# Altium PCB PCB3.PcbDoc (part 1 of 2) (continued)
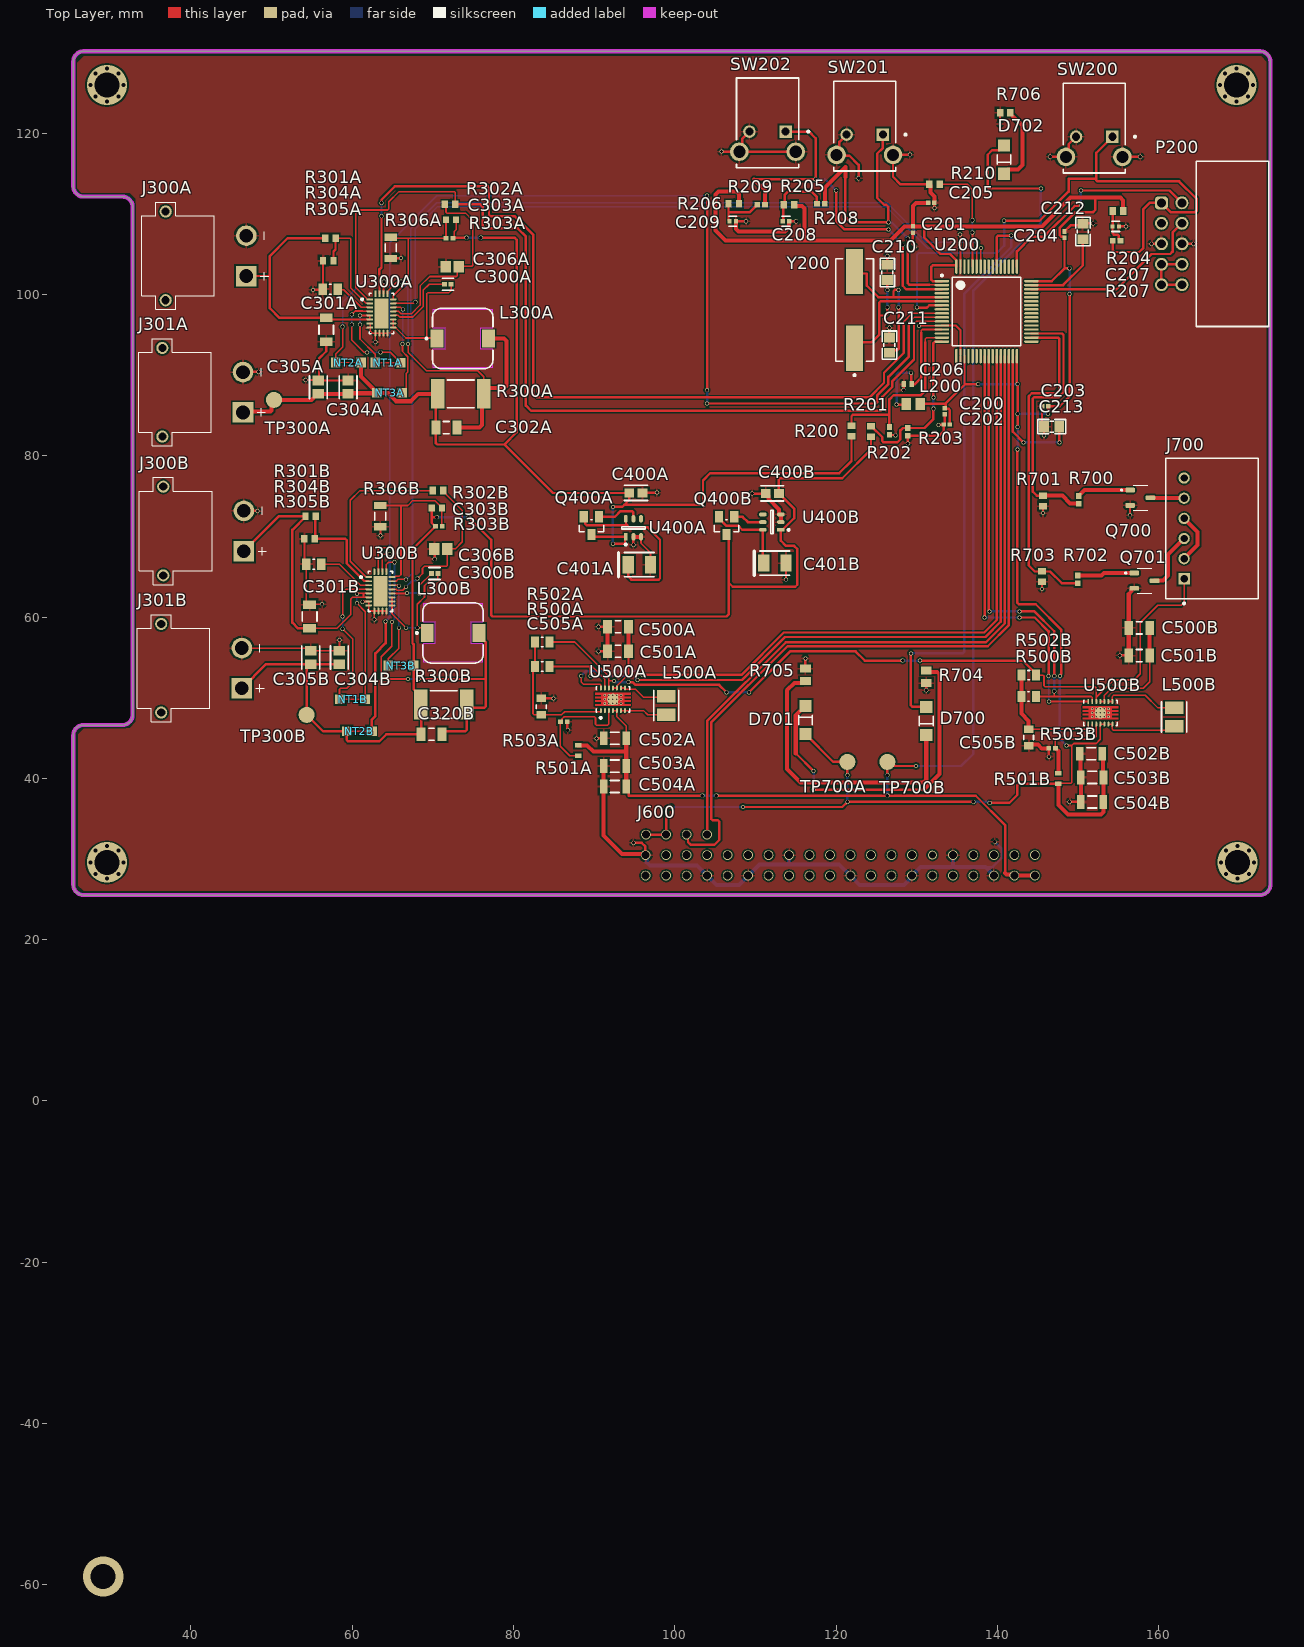
[diagram p0: Top Layer view]
## Footprints (in the part's own frame and the unit in brackets; to place one, negate y for a bottom-side part, rotate by r counter-clockwise, add the part's x,y. Pads: shape width x height; smd on the part's side, far side on the other; paste and mask are expansions set on the pad) (continued)
  silkscreen extent -56,-37 56,37, body extent -76,-41 76,41, height 10
FP-B3F-3152-MFG [mm]
  rect 1.55x1.55 hole 1 paste-1000 mask+0: 1(-2.25,1.075)
  round 1.55 hole 1 paste-1000 mask+0: 2(2.25,1.075)
  round 2.3 hole 1.5 paste-1000 mask+0: 3(-3.5,3.575) 4(3.5,3.575)
  silkscreen extent -5.18,-5.57 3.85,5.58, body extent -4.75,-5.68 4.75,5.68, height 0.25
FP-C0402-BB-MFG [mm]
  rect 0.52x0.52 smd paste+0 mask+0: 1(-0.4,0) 2(0.4,0)
  silkscreen extent -0.5,-0.63 0.5,0.64, body extent -0.8,-0.4 0.8,0.4, height 0.25
FP-CGA3E-0_3-0_1-IPC_A [mm]
  rect 0.956x1.206 smd paste+0 mask+0: 1(-1.025,0) 2(1.025,0)
  silkscreen extent -0.25,-0.6 0.25,0.6, body extent -2,-1.1 2,1.1, height 0.25
FP-DFE252010C-IPC_A [mm]
  rect 1.555x2.306 smd paste+0 mask+0: 1(-1.126,0) 2(1.126,0)
  silkscreen extent -1.9,-1.55 1.9,1.55, body extent -2.4,-1.65 2.4,1.65, height 0.25
FP-DSJ0014A-MFG [mm]
  rrect100% 0.6x0.24 smd paste+0 mask+0: 1(-1.4,1.5) 2(-1.4,1) 3(-1.4,0.5) 4(-1.4,0) 5(-1.4,-0.5) 6(-1.4,-1) 7(-1.4,-1.5) 8(1.4,-1.5) 9(1.4,-1) 10(1.4,-0.5) 11(1.4,0) 12(1.4,0.5) 13(1.4,1) 14(1.4,1.5)
  round 1.422 smd paste-1000 mask+0: 15(0,0)
  Top Layer region: -0.79,2.2 -0.59,2.2 -0.59,1.425 -0.33,1.425 -0.33,2.2 -0.13,2.2 -0.13,1.425 0.13,1.425 0.13,2.2 0.33,2.2 0.33,1.425 0.59,1.425 0.59,2.2 0.79,2.2 0.79,-2.2 0.59,-2.2 0.59,-1.425 0.33,-1.425 0.33,-2.2 0.13,-2.2 0.13,-1.425 -0.13,-1.425 -0.13,-2.2 -0.33,-2.2 -0.33,-1.425 -0.59,-1.425 -0.59,-2.2 -0.79,-2.2 -0.79,2.2
  silkscreen extent -2.42,-2.07 1.57,2.07, body extent -1.8,-2.3 1.8,2.3, height 0.25
FP-GRM21B-0_15-IPC_B [mm]
  rect 1.206x1.408 smd paste+0 mask+0: 1(-0.826,0) 2(0.826,0)
  silkscreen extent -1.43,-1.1 1.43,1.1, body extent -1.68,-0.95 1.68,0.95, height 0.25
FP-GRM31C-0_2-e0_3_0_8-MFG [mm]
  rect 1.05x1.6 smd paste+0 mask+0: 1(-1.475,0) 2(1.475,0)
  silkscreen extent -0.57,-0.9 0.58,0.9, body extent -2.1,-1 2.1,1, height 0.25
FP-HSMG-C150-MFG [mm]
  rect 1.5x1.5 smd paste+0 mask+0: 1(-1.75,0) 2(1.75,0)
  silkscreen extent -0.6,-0.85 0.6,0.85, body extent -2.6,-0.95 2.6,0.95, height 0.25
FP-S6-6-05-08-1636-IPC_C [mm]
  rect 0.94x0.486 smd paste+0 mask+0: 1(-1.115,0.95)
  rrect100% 0.94x0.486 smd paste+0 mask+0: 2(-1.115,0) 3(-1.115,-0.95) 4(1.115,-0.95) 5(1.115,0) 6(1.115,0.95)
  silkscreen extent -2.21,-1.45 0.15,1.45, body extent -1.69,-1.55 1.69,1.55, height 0.25
FP-S6B-XH-A_LF_SN-MFG [mm]
  rect 1.4x1.4 hole 0.9 paste-1000 mask+0: 1(6.25,-3.45)
  round 1.4 hole 0.9 paste-1000 mask+0: 2(3.75,-3.45) 3(1.25,-3.45) 4(-1.25,-3.45) 5(-3.75,-3.45) 6(-6.25,-3.45)
  silkscreen extent -8.7,-5.75 9.42,5.75, body extent -8.8,-5.85 8.8,5.85, height 0.25
FP-UDD-24-05-08-1833-IPC_B [mm]
  rect 0.831x0.242 smd paste+0 mask+0: 1(-1.441,1.75)
  rrect100% 0.831x0.242 smd paste+0 mask+0: 2(-1.441,1.25) 3(-1.441,0.75) 4(-1.441,0.25) 5(-1.441,-0.25) 6(-1.441,-0.75) 7(-1.441,-1.25) 8(-1.441,-1.75) 13(1.441,-1.75) 14(1.441,-1.25) 15(1.441,-0.75) 16(1.441,-0.25) 17(1.441,0.25) 18(1.441,0.75) 19(1.441,1.25) 20(1.441,1.75)
  rrect100% 0.242x0.831 smd paste+0 mask+0: 9(-0.75,-2.441) 10(-0.25,-2.441) 11(0.25,-2.441) 12(0.75,-2.441) 21(0.75,2.441) 22(0.25,2.441) 23(-0.25,2.441) 24(-0.75,2.441)
  rect 1.75x3.75 smd paste-1000 mask+0: 25(0,0)
  silkscreen extent -2.53,-2.5 1.5,2.5, body extent -2.11,-3.11 2.11,3.11, height 0.25
FP-WSL2512-0_762-MFG [mm]
  rect 1.65x3.68 smd paste+0 mask+0: 1(-2.855,0) 2(2.855,0)
  silkscreen extent -1.66,-1.72 1.66,1.72, body extent -3.78,-1.94 3.78,1.94, height 0.25
INDC2012X100N [mm]
  rect 1.2x1.47 smd: 1(-0.86,0) 2(0.86,0)
  body extent -1,-0.63 1,0.63, height 0.55
KEMT-T491-B_L [mm] "Molded Capacitor, 2-Leads, Body 3.70x3.00mm, IPC High Density"
  rect 1.4x2.15 smd: 1(-1.375,0) 2(1.375,0)
  silkscreen extent -2.57,-1.5 1.85,1.5, body extent -2.07,-1.5 2.07,1.5, height 2.1
NET_TIE [mm]
  rect 1.2x1.2 smd paste-3 mask-0.2: 1(-1.551,-0.01) 2(1.58,-0.016)
  Top Layer region: -1.071,-0.097 1.112,-0.097 1.112,0.072 -1.071,0.072
RESC1005X40X25ML05T10 [mm] "Chip Resistor, 2-Leads, Body 1.00x0.50mm, IPC Low Density"
  rect 0.7x0.65 smd: 1(-0.475,0) 2(0.475,0)
  body extent -0.53,-0.27 0.53,0.28, height 0.4
RESC1005X40X25NL05T10 [mm] "Chip Resistor, 2-Leads, Body 1.00x0.50mm, IPC Medium Density"
  rect 0.6x0.55 smd: 1(-0.425,0) 2(0.425,0)
  body extent -0.53,-0.27 0.53,0.28, height 0.4
RESC1608X55X25LL10T15 [mm] "Chip Resistor, 2-Leads, Body 1.70x0.90mm, IPC High Density"
  rect 0.6x0.8 smd: 1(-0.65,0) 2(0.65,0)
  body extent -0.85,-0.45 0.85,0.45, height 0.55
RESC1609X50X30NL8T20 [mm] "Chip Resistor, 2-Leads, Body 1.65x0.95mm, IPC Medium Density"
  rect 0.8x0.95 smd: 1(-0.65,0) 2(0.65,0)
  body extent -0.82,-0.48 0.82,0.48, height 0.5
RESC1609X50X30NL10T20 [mm] "Chip Resistor, 2-Leads, Body 1.55x0.85mm, IPC Medium Density"
  rect 0.8x0.95 smd: 1(-0.625,0) 2(0.625,0)
  body extent -0.82,-0.48 0.82,0.48, height 0.5
RESC2013X50X30NL20T20 [mm] "Chip Resistor, 2-Leads, Body 2.00x1.25mm, IPC Medium Density"
  rect 1.05x1.45 smd: 1(-0.925,0) 2(0.925,0)
  silkscreen extent -0.1,-0.62 0.1,0.63, body extent -1.1,-0.72 1.1,0.72, height 0.5
RESC2013X60X35NL10T20 [mm] "Chip Resistor, 2-Leads, Body 2.1x1.35mm, IPC Medium Density"
  rect 1x1.35 smd: 1(-0.9,0) 2(0.9,0)
  silkscreen extent -0.1,-0.57 0.1,0.57, body extent -1.05,-0.68 1.05,0.67, height 0.6
RESC2013X70X40LL20T20 [mm] "Chip Resistor, 2-Leads, Body 2.00x1.25mm, IPC High Density"
  rect 0.95x1.35 smd: 1(-0.775,0) 2(0.775,0)
  body extent -1.1,-0.72 1.1,0.72, height 0.7
RESC3216X70X50LL05T20 [mm] "Chip Resistor, 2-Leads, Body 3.20x1.60mm, IPC High Density"
  rect 0.9x1.55 smd: 1(-1.325,0) 2(1.325,0)
  silkscreen extent -0.5,-0.67 0.5,0.68, body extent -1.63,-0.82 1.62,0.82, height 0.7
"RPI GPIO" [mm]
  round 1.2 hole 1 paste+0 mask+0.1: 1(0,0) 2(2.54,0) 3(0,-2.54) 4(2.54,-2.54) 5(0,-5.08) 6(2.54,-5.08) 7(0,-7.62) 8(2.54,-7.62) 9(0,-10.16) 10(2.54,-10.16) 12(2.54,-12.7) 13(0,-15.24) 14(2.54,-15.24) 15(0,-17.78) 16(2.54,-17.78) 17(0,-20.32) 18(2.54,-20.32) 19(0,-22.86) 20(2.54,-22.86) 21(0,-25.4) 22(2.54,-25.4) 23(0,-27.94) 24(2.54,-27.94) 25(0,-30.48) 26(2.54,-30.48) 27(0,-33.02) 28(2.54,-33.02) 29(0,-35.56) 30(2.54,-35.56) 31(0,-38.1) 32(2.54,-38.1) 33(0,-40.64) 34(2.54,-40.64) 35(0,-43.18) 36(2.54,-43.18) 37(0,-45.72) 38(2.54,-45.72) 39(0,-48.26) 40(2.54,-48.26) 41(-2.54,-48.222) 42(-2.54,-45.72) 43(-2.54,-43.18) 44(-2.54,-40.64)
  round 1.1 hole 0.9 paste+0 mask+0.1: 11(0,-12.7)
  body extent -3.79,-49.58 3.81,1.22, height 10.54
SOT95P280X125-3N [mm]
  rrect50% 1.21x0.59 smd: 1(-1.255,0.95) 2(-1.255,-0.95) 3(1.255,0)
  silkscreen extent -2.41,-1.55 0.9,1.55
STM-LQFP64_N [mm] "Thin QFP, 64-Leads, Body 10x10mm, Pitch 0.5mm, IPC Medium Density"
  oval 1.8x0.3 smd: 1(-5.55,3.75) 2(-5.55,3.25) 3(-5.55,2.75) 4(-5.55,2.25) 5(-5.55,1.75) 6(-5.55,1.25) 7(-5.55,0.75) 8(-5.55,0.25) 9(-5.55,-0.25) 10(-5.55,-0.75) 11(-5.55,-1.25) 12(-5.55,-1.75) 13(-5.55,-2.25) 14(-5.55,-2.75) 15(-5.55,-3.25) 16(-5.55,-3.75) 33(5.55,-3.75) 34(5.55,-3.25) 35(5.55,-2.75) 36(5.55,-2.25) 37(5.55,-1.75) 38(5.55,-1.25) 39(5.55,-0.75) 40(5.55,-0.25) 41(5.55,0.25) 42(5.55,0.75) 43(5.55,1.25) 44(5.55,1.75) 45(5.55,2.25) 46(5.55,2.75) 47(5.55,3.25) 48(5.55,3.75)
  oval 0.3x1.8 smd: 17(-3.75,-5.55) 18(-3.25,-5.55) 19(-2.75,-5.55) 20(-2.25,-5.55) 21(-1.75,-5.55) 22(-1.25,-5.55) 23(-0.75,-5.55) 24(-0.25,-5.55) 25(0.25,-5.55) 26(0.75,-5.55) 27(1.25,-5.55) 28(1.75,-5.55) 29(2.25,-5.55) 30(2.75,-5.55) 31(3.25,-5.55) 32(3.75,-5.55) 49(3.75,5.55) 50(3.25,5.55) 51(2.75,5.55) 52(2.25,5.55) 53(1.75,5.55) 54(1.25,5.55) 55(0.75,5.55) 56(0.25,5.55) 57(-0.25,5.55) 58(-0.75,5.55) 59(-1.25,5.55) 60(-1.75,5.55) 61(-2.25,5.55) 62(-2.75,5.55) 63(-3.25,5.55) 64(-3.75,5.55)
  silkscreen extent -5.67,-4.25 4.25,4.57, body extent -5,-5 5,5, height 1.6
Testpoint [mm]
  round 2 smd: 1(0,0)
"tu 0805" [mm] "Compoment SMD 80x50mil"
  rect 1.2x1.4 smd: 1(-0.946,-0.003) 2(0.954,-0.003)
  silkscreen extent -1.75,-0.89 1.75,0.89, body extent -1.01,-0.64 1.01,0.63, height 0.61
WE-PD_7345 [mm] "SMT Shielded Power Inductor, 2-leads, body 7.3x7.3mm"
  rect 1.6x2.2 smd: 1(-3.2,0) 2(3.2,0)
  Top Layer keep-out region: -3.65,-3.65 -3.65,-1.3 -2.2,-1.3 -2.2,1.3 -3.65,1.3 -3.65,3.65 3.65,3.65 3.65,1.3 2.2,1.3 2.2,-1.3 3.65,-1.3 3.65,-3.65
  silkscreen extent -4.62,-3.75 3.75,3.75, body extent -3.65,-3.65 3.65,3.65, height 3.91

## Part data
C200 C201 C202 C203 C204 C205: library part CMP-0001-00074-2, Manufacturer=Kemet, Part Number=C0402C104K4RACTU
C206: library part MAASL105CD7105MFCA01, Package=None, Check_prices=https://www.snapeda.com/parts/MAASL105CD7105MFCA01/Littelfuse/view-part/?ref=eda, MF="Taiyo Yuden", MP=MAASL105CD7105MFCA01, SnapEDA_Link=https://www.snapeda.com/parts/MAASL105CD7105MFCA01/Littelfuse/view-part/?ref=snap
C207 C208 C209: library part CMP-2008-02046-2, "CAP CER 0.1UF 10V X5R 0402", Capacitance="0.10 μF", Manufacturer=Kemet, Manufacturer Part Number=C0402C104K8PACTU, Package=C0402-BB, Temperature="-55°C to +125°C", Temperature Characteristic=X5R, Temperature Coefficient=15%, Temperature Range High=+125°C, Temperature Range Low=-55°C, Tolerance=0.1, Voltage Rating="10 V", Automotive=No, Category=Cap, ComponentLink2Description=Datasheet, ComponentLink2URL=https://content.kemet.com/datasheets/KEM_C1002_X7R_SMD.pdf, Device Class L1="Passive Components", Device Class L2=Capacitors, Device Class L3="Ceramic Capacitors", Digikey Description="CAP CER 0.1UF 10V X5R 0402", Height=0.55mm, Ipc Land Pattern Name=CAPC10050X50, Lead Free=Yes, Material=Ceramic, Mouser Description="Capacitor 100 nF 10 VDC 0402", Octopart=https://octopart.com/c0402c104k8pactu-kemet-140039, RoHS=TRUE
C210 C211: library part "Tu 0805 20pF 50V 10%", "Dán", Chung_Loai=Dán, Don_Vi=Con, Ma_Hang=MH004558, So_Chan=2, Ten_Linh_Kien="Tụ 0805 20P 10% 50V"
C212 C213: library part "Tu 0805 225 25V 10%", "Dán", Chung_Loai=Dán, Don_Vi=Con, Ma_Hang=MH007483, So_Chan=2, Ten_Linh_Kien="Tụ 0805 225-2.2uF 25V 10%"
C300A C300B: library part CMP-45632-000010-1, "CAP CER 0.1UF 50V X7R 0402", Capacitance=100nF, Case Code (Imperial)=0402, Case Code (Metric)=1005, Max Operating Temperature=125°C, Min Operating Temperature=-55°C, Tolerance=10%, Voltage Rating=50V, Case/Package=0402, Mount="Surface Mount", Packaging="Cut Tape", RoHS Compliant=Yes, Series=-
C301A C301B: library part CMP-06035-003589-1, "Chip Multilayer Ceramic Capacitors for General Purpose, 1206, 10uF, X7R, 15%, 10%, 25V", Capacitance=10uF, Case Code (Imperial)=1206, Case Code (Metric)=3216, Dielectric=X7R, Max Operating Temperature=125°C, Min Operating Temperature=-55°C, Package Quantity=1, Tolerance=10%, Voltage=25V, Case/Package=1206, Depth=1.6mm, Height=1.6mm, Lead Free="Lead Free", Length=3.2mm, Material=Ceramic, Mount="Surface Mount", Number of Pins=2, Packaging="Tape and Reel", Radiation Hardening=No, REACH SVHC="No SVHC", Termination=SMD/SMT, Thickness=0.071inch, Voltage Rating=25V, Voltage Rating (DC)=25V, Width=1.6mm
C302A C320B: library part CMP-2000-06011-1, "Chip Capacitor, 1 uF, +/- 10%, 50 V, -55 to 125 degC, 1206 (3216 Metric), RoHS, Tape and Reel", Capacitance=1uF, Capacitance - nF=1000nF, Case Code - in=1206, Case Code - mm=3216, Case Height=1mm, Case Length=3.2mm, Case Width=1.6mm, Dielectric=X7R, Manufacturer=Kemet, Maximum Operating Temperature=+125C, Minimum Operating Temperature=-55C, Operating Temperature Range=-55Cto+125C, Package / Case=1206(3216metric), Package Description="2-Pin Surface Mount Device, Body 3.2 x 1.6 mm", Temperature Coefficient / Code=+/-15%, Tolerance=10%, Voltage Rating=50V, Brand=Kemet, Class=Class1, Datasheet URL=http://www.kemet.com/docfinder?Partnumber=C1206C105K5RACTU, Datasheet Version=02/2016, Dimensions=1.6mmWx3.2mmLx1mmH, Factory Pack Quantity=2500, Manufacturer URL=http://www.kemet.com/, Mounting Technology=SurfaceMount, Package Reference=1206, Packaging=Reel, Product=GeneralTypeMLCCs, Product Category=MultilayerCeramicCapacitorsMLCC-SMD/SMT, RoHS=Details, Series=C1206C, Termination Style=SMD/SMT, Type=SMDMLCCX7R6.3-250VDCCommericalGrade, Voltage Rating DC=50V
C303A C303B: library part CMP-2006-02592-1, Manufacturer=Murata, Part Number=GRM1885C1H100JA01D
C304A C304B C305A C305B: library part CMP-2007-03385-2, "Chip Multilayer Ceramic Capacitors for General Purpose, 0805, 22uF, X5R, 15%, 20%, 6.3V", Capacitance=22uF, Case Code (Imperial)=0805, Case Code (Metric)=2012, Dielectric=X5R, Max Operating Temperature=85°C, Min Operating Temperature=-55°C, Package Quantity=1, Tolerance=20%, Voltage=6.3V, Case/Package=0805, Depth=1.25mm, Height=1.25mm, Lead Free="Lead Free", Length=2mm, Material=Ceramic, Mount="Surface Mount", Packaging="Tape and Reel", Radiation Hardening=No, REACH SVHC="No SVHC", Termination=SMD/SMT, Thickness=0.053inch, Voltage Rating=6.3V, Voltage Rating (DC)=6.3V, Width=0.049inch
C306A C306B: library part CMP-2007-03234-1, Manufacturer=Kemet, Part Number=C0805C105K3RACTU
C400A C400B: library part CMP-2006-04386-2, "Automotive Ceramic Capacitor, 0603, 100nF, 10%, X7R, 15%, 50V", Capacitance=100nF, Case Code (Imperial)=0603, Case Code (Metric)=1608, Dielectric=X7R, Dielectric Material=Ceramic, Insulation Resistance=100GR, Max Operating Temperature=125°C, Min Operating Temperature=-55°C, Package Quantity=1, Ratings=AEC-Q200, Tolerance=10%, Voltage=50V, Case/Package=0603, Construction=Flat, Contact Plating=Tin, Depth=0.81mm, Dissipation Factor=2.5%, Height=0.9mm, Lead Free="Lead Free", Length=1.6mm, Mount="Surface Mount", Number of Pins=2, Packaging="Tape and Reel", Radiation Hardening=No, REACH SVHC="No SVHC", RoHS Compliant=Yes, Series=-, Termination=SMD/SMT, Thickness=0.035inch, Voltage Rating=50V, Voltage Rating (DC)=50V, Width=0.032inch
C401A C401B: library part CMP-2000-07193-1, "Tantalum Capacitor, 22 uF, +/- 10%, 10 V, -55 to 125 degC, 2-Pin SMD, RoHS, Tape and Reel", Capacitance=22000000pF, Case Code=B, Case Style=Molded, Manufacturer=Kemet, Operating Temp Range=-55Cto125C, Package / Case=3528-21, Package Description="2-Pin Surface Mount Device, Body 3.5 x 2.8 mm", Package Reference=T491-B, Tolerance (+ or -)=10%, Voltage=10VDC, Construction=SMTChip, Datasheet URL=http://capacitoredge.kemet.com/capedge2/DataSheet/Datasheet-T491B226K010AT.pdf?pn=T491B226K010AT, Datasheet Version=10/2016, DCL=2.2uA, DF=6%, ESR=2.4ohm, Failure Rate=NotRequired, Insulation=NotRequired, Lead Spacing (nom)=NotRequiredmm, Length W/Weld=NotRequiredmm, Length W/Weld (max)=NotRequiredmm, Manufacturer URL=http://www.kemet.com/, Mounting Style=SurfaceMount, Mounting Technology=SurfaceMount, Packaging=TapeandReel, Polarity=Polar, Product Depth (mm)=2.8mm, Product Diameter (mm)=NotRequiredmm, Product Height (mm)=1.9mm, Product Length (mm)=3.5mm, Rad Hardened=No, Seal=NotRequired, Seated Plane Height=NotRequiredmm, Wire Form=NotRequired
C500A C500B C501A C501B: library part CMP-2000-06013-1, "Chip Capacitor, 10 uF, +/- 10%, 10 V, -55 to 125 degC, 1206 (3216 Metric), RoHS, Tape and Reel", Capacitance=10uF, Case Code - in=1206, Case Code - mm=3216, Case Height=1.6mm, Case Length=3.2mm, Dielectric=X7R, Manufacturer=Kemet, Maximum Operating Temperature=+125C, Minimum Operating Temperature=-55C, Operating Temperature Range=-55Cto+125C, Package / Case=1206(3216metric), Package Description="2-Pin Surface Mount Device, Body 3.2 x 1.6 mm", Temperature Coefficient / Code=+/-15%, Tolerance=10%, Voltage Rating=10V, Brand=Kemet, Case Width=1.6mm, Class=Class1, Datasheet URL=http://www.kemet.com/docfinder?Partnumber=C1206C106K8RACTU, Datasheet Version=02/2016, Dimensions=1.6mmWx3.2mmLx1.6mmH, Dissipation Factor DF=5, Factory Pack Quantity=2000, Manufacturer URL=http://www.kemet.com/, Mounting Technology=SurfaceMount, Package Reference=1206, Packaging=Reel, Product=GeneralTypeMLCCs, Product Category=MultilayerCeramicCapacitorsMLCC-SMD/SMT, RoHS=Details, Series=C1206C, Termination Style=SMD/SMT, Type=SMDMLCCX7R6.3-250VDCCommericalGrade, Voltage Rating DC=10V
C502A C502B C503A C503B C504A C504B: library part CMP-1037-04986-1, "CAP 22uF 6.3V ±20% 1206 (3216 Metric) Thickness 1.9mm SMD", Case-EIA=1206, Case-Metric=3216, Rated Voltage="6.3 V", Tolerance=Â±20%, Max Thickness="1.9 mm", Technology=SMT
C505A C505B: library part CMP-2000-07546-2, "Cap Ceramic 100nF 50V X7R 10% Pad SMD 0603 +125°C Automotive T/R", Capacitance=100nF, Case Code (Imperial)=0603, Case Code (Metric)=1608, Dielectric=X7R, Max Operating Temperature=125°C, Min Operating Temperature=-55°C, Package Quantity=1, Ratings=AEC-Q200, Tolerance=10%, Voltage=50V, Case/Package=0603, Composition=Ceramic, Depth=0.8mm, Height=0.8mm, Lead Free="Lead Free", Length=1.6mm, Mount="Surface Mount", Packaging="Tape and Reel", Radiation Hardening=No, REACH SVHC="No SVHC", Termination=SMD/SMT, Thickness=0.035inch, Voltage Rating=50V, Voltage Rating (DC)=50V, Weight=7.1E-05oz, Width=0.8mm
D700 D701 D702: library part CMP-2000-05061-2, "LED GREEN DIFFUSED 1206 SMD", Colour=Green, Forward Current=20mA, Forward Voltage=2.2V, Manufacturer=Broadcom, Manufacturer Part Number=HSMG-C150, Max Junction Temp=+95°C, Power Dissipation=65mW, Reverse Voltage=5V, Temperature="-40°C to +85°C", Temperature Range High=+85°C, Temperature Range Low=-40°C, Automotive=No, Category=Diode, ComponentLink2Description=Datasheet, ComponentLink2URL=https://docs.broadcom.com/docs/AV02-0551EN, Device Class L1=Optoelectronics, Device Class L2=LEDs, Device Class L3=unset, Digikey Description="LED GREEN DIFFUSED 1206 SMD", Height=1.2mm, Ipc Land Pattern Name=DIOCP320160X55, Lead Free=Yes, Led Orientation="Top View", Luminous Intensity=15mcd, Mouser Description="LED Uni-Color Green 570nm 2-Pin Chip LED T/R", Octopart=https://octopart.com/hsmg-c150-broadcom-71131304, Package=HSMG-C150, Peak Emmision Wavelength=570nm, RoHS=TRUE, Viewing Angle=170°, Wavelength=572nm
J300A J300B J301A J301B: "Socket; DC supply; XT30; male; PIN: 2; on PCBs; THT; Colour: yellow", Package=None, Check_prices=https://www.snapeda.com/parts/XT30PW-M/AMASS/view-part/?ref=eda, MF=AMASS, MP=XT30PW-M, SnapEDA_Link=https://www.snapeda.com/parts/XT30PW-M/AMASS/view-part/?ref=snap
J600: library part "Connector GPIO"
J700: library part CMP-17439-000165-2, "CONN HEADER R/A 6POS 2.5MM", Color=Natural, Contact Resistance=20mR, Current Rating=3A, Flammability Rating="UL94 V-0", Housing Color=White, Insulation Resistance=1GR, Max Operating Temperature=85°C, Max Voltage Rating (AC)=250V, Min Operating Temperature=-25°C, Package Quantity=500, Connector Type=Header, Contact Finish - Mating=TIN, Contact Material=Brass, Contact Plating=Tin, Contact Shape=Square, Contact Type="Male Pin", Depth=11.5mm, Fastening Type=Detent, Gender=Male, Housing Material=Polyamide, Insulation Color=Natural, Insulation Material=Nylon, Lead Free="Lead Free", Lead Pitch=2.5mm, Length=17.4mm, Max Current Rating=3A, Mount="Through Hole", Number Of Contacts=6, Number of Positions=6, Number of Rows=1, Orientation="Right Angle", Packaging=Bulk, Pitch=2.5mm, REACH SVHC="No SVHC", Series=XH, Termination=Solder, Voltage Rating=250V, Voltage Rating (AC)=250V, Wire/Cable Gauge=22AWG
L200: library part MLP2012S4R7MT0S1, "Surface Mount High Frequency Inductor, MLP Series, 4.7 H, 20%, 0805 [2012 Metric], 0.26 ohm", Package="2012 TDK", Availability="In Stock", Check_prices=https://www.snapeda.com/parts/MLP2012S4R7MT0S1/TDK/view-part/?ref=eda, MF=TDK, MP=MLP2012S4R7MT0S1, Price=None, Purchase-URL=https://pricing.snapeda.com/search/part/MLP2012S4R7MT0S1/?ref=eda, SnapEDA_Link=https://www.snapeda.com/parts/MLP2012S4R7MT0S1/TDK/view-part/?ref=snap
L300A L300B: library part CMP-0227-00113-2, "74477710, CUỘN CẢM LÕI FERALIT", Ambient Temperature Range High=85°C, Ambient Temperature Range Low=-40°C, Case/Package=Nonstandard, Current Rating=2A, DC Resistance (DCR)=45mΩ, Inductance=10µH, Inductance Tolerance=20%, Max Operating Temperature=125°C, Saturation Current=2.6A, Self Resonant Frequency=23MHz, Test Frequency=1kHz, Composition=Wirewound, Core Material=Ferrite, Depth=7.3mm, Height=4.5mm, Height - Seated (Max)=4.4958mm, Lead Free="Lead Free", Lead Pitch=4mm, Length=7.3mm, Max DC Current=2A, Min Operating Temperature=-40°C, Mount="Surface Mount", NexarPartId=11853718, Number of Pins=2, Packaging="Cut Tape (CT)", RoHS=Compliant, Shielding=Shielded, Termination=SMD/SMT, Tolerance=20%, Width=7.3mm
L500A L500B: library part CMP-06042-006286-1, "Shielded Wirewound Inductor 1.5uH  2500mA 0.072Ω 1008 (2520)", Case Code (Imperial)=1008, Case Code (Metric)=2520, Current Rating=2.5A, DC Resistance (DCR)=72mR, Inductance=1.5uH, Max Operating Temperature=125°C, Min Operating Temperature=-40°C, Saturation Current=3.8A, Test Frequency=1MHz, Tolerance=20%, Case/Package=1008, Core Material=Ferrite, Height - Seated (Max)=0.039inch, Length=0.098inch, Mount="Surface Mount", Packaging="Tape and Reel", Shielding=Shielded, Width=0.079inch
P200: library part CMP-1502-00021-2, Color=Black, Contact Resistance=20mΩ, Current Rating=3A, Flammability Rating="UL94 V-0", Insulation Resistance=1GΩ, Max Operating Temperature=105°C, Min Operating Temperature=-40°C, Operating Supply Voltage=250V, Connector Type="Male Pin", Contact Gender=Male, Contact Material=Copper, Contact Plating=Gold, Gender=Male, Height=8.85mm, Housing Material=PBT, Insulation=Insulated, Insulation Material=PBT, Lead Pitch=2.54mm, Length=20.36mm, Mount="Through Hole", NexarPartId=8917787, Number Of Contacts=10, Number of Pins=10, Number of Positions=10, Number of Rows=2, Orientation="Right Angle", Pitch=2.54mm, REACH SVHC=Unknown, RoHS=Compliant, Row Spacing=2.54mm, Termination="Through Hole", Voltage Rating=250V, Voltage Rating (DC)=250V, Width=20.36mm
Q400A Q400B: library part CMP-2100-03638-2, "MOSFET P-CH 20V 2A SSOT3", Case/Package=SOT-23, Continuous Drain Current (ID)=2A, Current Rating=-2A, Drain to Source Breakdown Voltage=-20V, Drain to Source Resistance=60mR, Drain to Source Voltage (Vdss)=20V, Gate to Source Voltage (Vgs)=8V, Input Capacitance=779pF, Max Operating Temperature=150°C, Max Power Dissipation=500mW, Min Operating Temperature=-55°C, On-State Resistance=70MR, Package Quantity=1, Threshold Voltage=-800mV, Contact Plating=Tin, Dual Supply Voltage=-20V, Element Configuration=Single, Fall Time=11ns, Height=0.94mm, Lead Free="Lead Free", Length=2.92mm, Mount="Surface Mount", Nominal Vgs=-800mV, Number of Elements=1, Number of Pins=3, Packaging="Tape and Reel", Power Dissipation=500mW, Radiation Hardening=No, Rds On Max=70mR, REACH SVHC="No SVHC", Rise Time=9ns, Termination=SMD/SMT, Turn-Off Delay Time=27ns, Turn-On Delay Time=10ns, Voltage Rating (DC)=-20V, Weight=0.03g, Width=3.05mm
Q700 Q701: "Trans MOSFET N-CH 30V 5.7A 3-Pin SOT-23", Package=None, Availability=Unavailable, MP=AO3400A, Price=None
R200 R201 R204 R205 R206 R210 R301A R301B R302A R302B R304A R304B R701 R703: library part CMP-1666-00005-4, "Chip Resistor, 10 KOhm, +/- 1%, 100 mW, -55 to 155 degC, 0603 (1608 Metric), RoHS, Tape and Reel", Manufacturer="Vishay Semiconductor", Max Operating Temperature="155 degC", Min Operating Temperature="-55 degC", Package Quantity=5000, Voltage Rating="75 V", ComponentLink1Description="Manufacturer URL", ComponentLink1URL=http://www.vishay.com/, ComponentLink2Description=Datasheet, ComponentLink2URL=https://datasheet.ciiva.com/11809/0900766b80d98afc-11809037.pdf, DatasheetVersion=06/2012, Height="0.45 mm", Length="1.55 mm", Mounting Technology="Surface Mount", PackageDescription="2-Pin Surface Mount Device, Body 1.575 x 0.85 mm", PackageReference=0603, Packaging="Tape and Reel", REACH SVHC=Unknown, RoHSCompliant=true
R202 R203: library part CMP-2002-07617-1, Manufacturer="Yageo / Phycomp", Part Number=RC0402FR-0733KL
R207 R208 R209 R700 R702: library part CMP-2002-07344-1, Manufacturer="Yageo / Phycomp", Part Number=RC0402FR-07100RL
R300A R300B: library part CMP-02407-013157-1, "RES 0.025 OHM 1% 1W 2512", Case Code (Imperial)=2512, Case Code (Metric)=6432, Max Operating Temperature=170°C, Max Power Dissipation=1W, Min Operating Temperature=-65°C, Package Quantity=2000, Resistance=25mR, Resistance Tolerance=1%, Resistor Type="Metal Strip", Temperature Coefficient=75ppm/°C, Voltage Rating=150mV, Case/Package=2512, Construction=Rectangular, Contact Plating=Tin, Depth=3.18mm, Features="Moisture Resistant", Height=0.635mm, Lead Free="Lead Free", Length=6.4mm, Military Standard=Not, Number of Pins=2, Number of Terminations=2, Packaging="Tape and Reel", Power Rating=1W, Radiation Hardening=No, Reach SVHC Compliant=Yes, RoHS Compliant=No, Series=WSL, Size Code=2512, Technology="METAL STRIP", Termination=SMD/SMT, Tolerance=1%, Weight=0.002243oz, Width=3.2mm
R303A R303B: library part CMP-2002-07490-1, Manufacturer="Yageo / Phycomp", Part Number=RC0402FR-071ML
R305A R305B: library part CMP-2001-04043-1, Manufacturer="Vishay Dale", Part Number=CRCW080560K4FKEA
R306A R306B: library part CMP-2003-00293-1, "ERJ-8ENF3093V", Manufacturer=Panasonic, Part Number=ERJ-8ENF3093V
R500A R500B R502A R502B: library part CMP-1659-00013-4, "Chip Resistor, 10 KOhm, +/- 1%, 0.125 W, -55 to 155 degC, 0805 (2012 Metric), RoHS, Tape and Reel", Manufacturer=Yageo, Max Operating Temperature="155 degC", Min Operating Temperature="-55 degC", Package Quantity=5000, Voltage Rating="150 V", ComponentLink1Description="Manufacturer URL", ComponentLink1URL=http://www.yageo.com/, ComponentLink2Description=Datasheet, ComponentLink2URL=http://www.yageo.com/documents/recent/PYu-RC_Group_51_RoHS_L_04.pdf, DatasheetVersion="Rev. 4, 02/2016", Height="0.5 mm", Length="2 mm", Mount="Surface Mount", Mounting Technology="Surface Mount", PackageDescription="2-Pin Surface Mounted Device, Body 2 x 1.25 mm", PackageReference=0805, Packaging="Tape and Reel", Pins=2, REACH SVHC="No SVHC", RoHSCompliant=true
R501A R501B: library part CMP-1659-00056-1, "Chip Resistor, 1 MOhm, +/- 1%, 100 mW, -55 to 155 degC, 0603 (1608 Metric), RoHS, Tape and Reel", Capacitance="1 mF", Case\Package=Radial, Max Operating Temperature="85 degC", Min Operating Temperature="-40 degC", Package Quantity=200, Tolerance=20%, Voltage Rating="25 V", ComponentLink1Description="Manufacturer URL", ComponentLink1URL=http://www.yageo.com/, ComponentLink2Description=Datasheet, ComponentLink2URL=http://www.yageo.com/documents/recent/PYu-RC_Group_51_RoHS_L_04.pdf, DatasheetVersion="Rev. 4, 02/2016", Diameter="10 mm", Height="20 mm", Lead Pitch="5 mm", Length="20 mm", Mount="Through Hole", PackageDescription="2-Pin Surface Mount Device, Body 1.6 x 0.8 mm", PackageReference=0603, Packaging=Bulk, Radiation Hardening=No, REACH SVHC="No SVHC", RoHSCompliant=true, Voltage Rating (DC)="25 V", Width="0 inch"
R503A R503B: library part CMP-1011-00763-4, "Chip Resistor, 180 KOhm, +/- 1%, 62.5 mW, -55 to 155 degC, 0402 (1005 Metric), RoHS, Tape and Reel", Case Code (Imperial)=0402, Case Code (Metric)=1005, Manufacturer="Basic Passives", Max Operating Temperature="155 degC", Min Operating Temperature="-55 degC", Package Quantity=200, PartNumber=RC0402FR-07180KL, Power Rating="62.5 mW", Resistance="180 KOhm", Tolerance=1%, Voltage Rating="50 V", Case\/Package=0402, ComponentLink1Description="Manufacturer URL", ComponentLink1URL=http://www.yageo.com/, ComponentLink2Description=Datasheet, ComponentLink2URL=http://download.siliconexpert.com/pdfs/2016/1/13/0/45/27/830/yageo_/manual/8727809758379137pyu-rc_group_51_rohs_l___3.pdf, DatasheetVersion=12/2015, Height="0.35 mm", Length="1 mm", Mount="Surface Mount", Mounting Technology="Surface Mount", PackageDescription="2-Pin Surface Mount Device, Body 1 x 0.5 mm", PackageReference=0402, Packaging="Tape and Reel", Pins=2, REACH SVHC="No SVHC", RoHSCompliant=true, Width="0.5 mm"
R704 R705: library part CMP-2001-04375-5, "Chip Resistor, 1 KOhm, +/- 1%, 0.125 W, -55 to 155 degC, 0805 (2012 Metric), RoHS, Tape and Reel", Manufacturer=Panasonic, Max Operating Temperature="155 degC", Min Operating Temperature="-55 degC", Package Quantity=1, Voltage Rating="150 V", ComponentLink1Description="Manufacturer URL", ComponentLink1URL=http://www.panasonic.com/, ComponentLink2Description=Datasheet, ComponentLink2URL=http://industrial.panasonic.com/cdbs/www-data/pdf/RDA0000/AOA0000C86.pdf, DatasheetVersion=04/2015, Height="0.6 mm", Length="2 mm", Mount="Surface Mount", Mounting Technology="Surface Mount", PackageDescription="2-Pin Surface Mount Device, Body 2 x 1.25 mm", PackageReference=0805, Packaging="Cut Tape", REACH SVHC=Yes, RoHSCompliant=true
R706: library part CMP-2000-03167-1, Manufacturer="Vishay Dale", Part Number=CRCW06032K20FKEA
SW200 SW201 SW202: library part CMP-08834-000033-1, "SWITCH TACTILE SPST-NO 0.05A 24V", Actuator Color=Yellow, Contact Current Rating=50mA, Contact Resistance=100mR, Max Operating Temperature=70°C, Max Voltage Rating (DC)=24V, Min Operating Temperature=-25°C, Operating Force=1.47N, Package Quantity=1000, Ratings=IP00, Actuator Type=PLUNGER, Contact Material=Gold, Contact Plating=Gold, Contact Type="1 maker", Current Rating=50mA, Depth=7.15mm, Electrical Life=300000Cycles, Height=6.15mm, Illumination Type=Non-Illuminated, Lead Free="Lead Free", Length=7.3mm, Max Current Rating=50mA, Mechanical Life=300000Cycles, Mount="Through Hole", Number of Pins=4, Number of Poles=1, Orientation="Right Angle", Packaging=Bulk, Radiation Hardening=No, RoHS Compliant=Yes, Series=B3F, Switch Function=Off-Mom, Switch Travel=0.25mm, Termination="PC Pins", Throw Configuration=SPST, Voltage Rating (DC)=24V, Weight=0.25g, Width=6mm
U200: library part CMP-0243-00019-3, "ARM Cortex-M4 32-bit MCU+FPU, 210 DMIPS, 1024 kB Flash, 192 kB Internal RAM, 51 I/Os, 64-pin LQFP, -40 to 85 degC, Tray", I/Os (High Current)=51, Manufacturer=STMicroelectronics, Operating Frequency(F) (Processor speed) (MHz)=168, Supply Voltage(Vcc) max (V)=3.6, Supply Voltage(Vcc) min (V)=1.8, ComponentLink1Description="Manufacturer URL", ComponentLink1URL=http://www.st.com/web/en/home.html, ComponentLink2Description=Datasheet, ComponentLink2URL=http://www.st.com/st-web-ui/static/active/en/resource/technical/document/datasheet/DM00037051.pdf, ComponentLink3Description="Package Specification", ComponentLink3URL=http://www.st.com/st-web-ui/static/active/en/resource/technical/document/datasheet/DM00037051.pdf, Core="ARM Cortex-M4", D/A Converter=2x12-bit, DatasheetVersion="Rev. 4", FLASH Size (Prog) (kB)=1024, Internal RAM Size (kB)=192, Mounting Technology="Surface Mount", PackageDescription="64-Pin Low Profile Quad Flat Package, 10 x 10 mm Body, 0.5 mm Pitch", PackageReference=LQFP64, PackageVersion="Rev. 4, 06/2013", Packing=Tray, PartNumber=STM32F405RGT6
U300A U300B: library part CMP-0491-02169-2, "IC REG BUCK ADJ 2.5A 24QFN", Case/Package=QFN, Max Operating Temperature=125°C, Min Operating Temperature=-40°C, Output Current=2.5A, Output Voltage=40V, Package Quantity=2500, Switching Frequency=2MHz, Efficiency=96%, Lead Free="Lead Free", Number Of Outputs=1, Number of Pins=24, Output Type=Adjustable, Packaging="Tape and Reel", RoHS Compliant=Yes, Series=-, Synchronous Rectifier=Yes
U400A U400B: library part CMP-0479-00425-2, "IC OR CTRLR SRC SELECT TSOT23-6", Case/Package=TSOT, Max Operating Temperature=85°C, Max Supply Voltage=28V, Min Operating Temperature=-40°C, Min Supply Voltage=2.5V, Package Quantity=1, Height=0.9mm, Lead Free="Lead Free", Length=2.9mm, Number of Channels=1, Number Of Outputs=1, Number of Pins=6, Packaging="Tape and Reel", Radiation Hardening=No, REACH SVHC="No SVHC", RoHS Compliant=Yes, Series=PowerPath™, Turn-On Delay Time=110us, Width=1.75mm
U500A U500B: library part CMP-2000-07282-2, "IC REG BCK BST ADJ 3.5A 14VSON", Ambient Temperature Range High=+85°C, Ambient Temperature Range Low=-40°C, Manufacturer="Texas Instruments", Max Junction Temp=+125°C, Max Supply Voltage=5.5V, Min Supply Voltage=1.8V, Nominal Supply Current=25uA, Output Current=3A, Output Voltage=1.2-5.5V, Package=DSJ0014A, Switching Frequency=2400kHz, Temperature="-40°C to +85°C", Automotive=No, Category=IC, ComponentLink2Description=Datasheet, ComponentLink2URL=https://www.ti.com/lit/ds/symlink/tps63020.pdf, Device Class L1="Integrated Circuits (ICs)", Device Class L2="Power Management ICs", Device Class L3="Voltage Regulators - Switching", Digikey Description="IC REG BCK BST ADJ 3.5A 14VSON", Height=1mm, Lead Free=Yes, Manufacturer Part Number=TPS63020DSJT, Mouser Description="Voltage Regulators - Switching Regulators 93% Eff Buck-Boost Converter", Number Of Outputs=1, Octopart=https://octopart.com/tps63020dsjt-texas+instruments-12976119, Output Type=AdjustableProgrammable, RoHS=TRUE, Standoff Height=0mm, Switching Topology=Buck-Boost, Temperature Range High=+85°C, Temperature Range Low=-40°C
Y200: library part CMP-2000-05726-1, "Low Profile Crystal, 8.0 MHz, +/- 30 ppm, -20 to 70 degC, 2-Pin SMD, RoHS, Tape and Reel", Case Height=4.2mm, Case Length=11.4mm, Case Width=4.7mm, Frequency Stability=50PPM, Load Capacitance=18pF, Manufacturer=ABRACON, Operating Temperature Range=-20Cto+70C, Package / Case=HC-49/US, Package Description="2-Pin Surface Mount Device, Body 11.4 x 4.7 mm", Package Reference=ABLS-14.7456MHZ-B2-T, Tolerance=30PPM, Brand=ABRACON, Datasheet URL=http://www.abracon.com/Resonators/abls.pdf, Datasheet Version=04/2011, Dimensions=4.7mmWx11.4mmLx4.2mmH, ESR=80Ohms, Factory Pack Quantity=1000, Frequency=8MHz, Manufacturer URL=http://www.abracon.com/, Mounting Style=SMD/SMT, Mounting Technology=SurfaceMount, Package URL=http://www.abracon.com/Support/PackageDrawing/Resonators/ABLS-2D.pdf, Packaging=Reel, Product Category=Crystals, RoHS=Details, Series=ABLS, Termination Style=SMD/SMT, Type=LowProfileMicroprocessorCrystal

## Via types
v1: diameter 0.5, hole 0.4, Top Layer to Bottom Layer, 167 vias
v2: diameter 0.5, hole 0.5, Top Layer to Bottom Layer, 40 vias
v3: diameter 0.35, hole 0.2, Top Layer to Bottom Layer, 30 vias
v4: diameter 5, hole 3.1, Top Layer to Bottom Layer, 5 vias

## Nets (pads, with @x,y where several pads share a name; then routed paths per layer and width w, separated by ;. In a path a pad name is that pad's centre, name@x,y a point inside that pad or via, vN(x,y) a via of type N, cw(c..) or ccw(c..) an arc to the next point about the centre after c; other vN are vias at no path point)
3,3V: C200.2 C201.2 C202.2 C203.2 C204.2 C205.2 C502B.2 C503B.2 C504B.2 D701.2 J600.41 J600.42 L200.1 R204.2 R205.2 R206.2 R501B.2 TP700A.1 U200.1 U200.19 U200.32 U200.48 U200.64 U500B.4 U500B.5 | length 297.7
  Top Layer w0.2: R501B.2@147.574,39.338 147.606,39.37 149.108,39.37 149.225,39.487 149.225,44.069 ; v1(148.59,44.069) 149.225,44.069 ; U500B.5@153.281,46.733 U500B.4@152.781,46.733 152.781,44.831 152.273,44.323 149.479,44.323 149.225,44.069
  Top Layer w0.3: J600.41@96.431,33.02 J600.42@98.933,33.02 98.933,36.273 99.07,36.411 99.53,36.411 v1(99.568,36.449) ; v1(108.458,36.449) 120.777,36.449 v1(121.412,37.084) v1(137.033,37.084) ; D701.2@116.205,45.494 119.662,42.037 TP700A.1@121.412,42.037 v1(121.412,40.386) ; L200.1@130.432,86.41 130.495,86.473 133.59,86.473 ; 130.937,108.457 130.937,107.061 132.969,105.029 134.123,105.029 134.934,104.218 U200.64@134.934,103.632 ; U200.1@133.134,101.668 132.002,101.668 131.826,101.844 131.826,103.456 132.002,103.632 U200.64@134.934,103.632 ; C202.2@134.114,83.87 134.112,83.873 134.112,85.676 133.936,85.852 133.53,85.852 C200.2@133.48,85.901 133.59,86.011 133.59,86.473 ; U200.64@134.934,103.468 U200.64@134.934,103.632 ; U200.19@135.934,92.368 135.934,88.817 ; v1(137.633,88.9) 136.017,88.9 135.934,88.817 ; v1(139.065,36.957) 141.478,36.957 142.494,37.973 142.494,39.162 142.67,39.338 R501B.2@147.574,39.338 ; U200.32@142.434,92.368 142.434,89.054 142.534,88.954 v1(142.534,88.9) v1(142.534,85.217) v1(142.534,83.566) ; v1@142.494,80.75 142.494,61.771 142.67,61.595 144.78,61.595 147.955,58.42 147.955,52.981 147.866,52.892 147.866,52.859 147.766,52.759 v1(147.766,52.705) ; U200.48@144.526,101.668 146.753,101.668 148.336,103.251 ; v1(146.304,85.217) v1(146.304,85.217) 146.305,86.156 C203.2@146.306,86.157 147.752,86.157 148.971,87.376 v1(148.971,100.068) ; C204.2@148.226,107.193 147.931,107.193 147.726,107.398 147.726,108.248 149.714,110.236 151.892,110.236 152.146,110.49 152.146,111.97 152.19,112.014 ; C204.2@148.336,107.063 148.336,103.251 ; v1(148.971,103.251) 148.336,103.251 ; 133.59,86.473 135.934,88.817
  Top Layer w0.5: R206.2@107.965,111.253 107.965,112.483 107.672,112.776 105.41,112.776 105.029,112.395 105.029,107.95 106.299,106.68 116.078,106.68 ; R205.2@114.838,111.126 114.966,110.998 115.785,110.998 116.078,110.705 116.078,106.68 ; C205.2@131.448,111.38 129.922,111.38 129.54,110.998 C201.2@129.541,108.457 C201.2@129.541,108.457 ; R501B.2@147.574,39.338 147.574,36.703 148.772,35.505 152.869,35.505 153.162,35.798 C504B.2@153.162,37.067 153.163,37.068 C503B.2@153.165,40.115 C503B.2@153.165,40.115 153.101,40.178 153.101,42.972 C502B.2@153.038,43.036 ; R204.2@155.605,110.364 155.605,111.691 155.282,112.014 152.19,112.014 149.098,112.014 145.541,108.457 130.937,108.457 C201.2@129.541,108.457 ; 116.078,106.68 126.746,106.68 128.523,108.457 C201.2@129.541,108.457
  Bottom Layer w0.3: v1(99.568,36.449) v1(108.458,36.449) ; v1(121.412,37.084) v1(121.412,40.386) ; v1(137.033,37.084) 138.884,37.084 139.011,36.957 v1(139.065,36.957) ; v1(137.633,88.9) v1(142.534,88.9) ; v1(142.494,80.772) 142.514,80.792 142.514,83.546 v1(142.534,83.566) ; v1(142.534,85.217) v1(146.304,85.217) ; v1(147.766,52.705) 147.766,44.893 v1(148.59,44.069) ; v1(148.971,100.068) v1(148.971,103.251)
3,3VDDA: C206.2 L200.2 U200.13 | length 18.2
  Top Layer w0.2: 130.556,95.25 130.556,95.551 130.673,95.668 U200.13@133.134,95.668
  Top Layer w0.3: v1(127.508,86.36) 128.662,86.36 L200.2@128.712,86.41 ; v1(129.286,90.297) 129.324,90.259 129.324,88.966 C206.2@129.39,88.9 129.794,88.9 130.556,89.662 130.556,95.25
  Bottom Layer w0.3: v1(127.508,86.36) 127.508,90.043 127.762,90.297 v1(129.286,90.297)
5V: C502A.2 C503A.2 C504A.2 D702.2 J600.2 J600.4 R501A.2 TP700B.1 U500A.4 U500A.5 | length 178.8
  Top Layer w0.2: U500A.4@92.326,48.401 U500A.5@92.826,48.401 92.826,47.636 93.983,46.479 C502A.2@93.983,44.975
  Top Layer w0.3: C504A.2@93.983,38.989 94.283,38.689 94.283,37.846 v1(103.413,37.846) ; v1(105.156,37.846) v1(126.365,37.846) 137.327,37.846 140.97,34.203 140.97,28.233 ; v1(126.365,40.386) 126.365,41.529 TP700B.1@126.619,41.783 ; TP700B.1@126.365,41.602 TP700B.1@126.365,42.037 TP700B.1@126.619,41.783 ; v1(129.921,41.529) 127.333,41.529 127.079,41.783 TP700B.1@126.619,41.783 ; D702.2@140.843,118.491 140.243,117.891 139.354,117.891 138.811,117.348 138.811,113.333 138.987,113.157 v1(145.415,113.157)
  Top Layer w0.5: R501A.2@88.011,44.101 89.122,44.101 89.916,43.307 93.69,43.307 93.983,43.6 ; C504A.2@93.983,38.989 C503A.2@93.983,41.529 93.983,43.6 ; C502A.2@93.983,44.975 93.983,43.6 ; 140.97,28.233 141.129,28.074 141.979,28.074 J600.4@142.113,27.94 J600.2@144.653,27.94
  Bottom Layer w0.3: v1(103.413,37.846) v1(105.156,37.846) ; v1(126.365,37.846) v1(126.365,40.386) ; v1(129.921,41.529) 135.509,41.529 137.033,43.053 137.033,100.512 145.415,108.894 v1(145.415,113.157)
BIAS: NT3A.1 U300A.18 | length 12.3
  Top Layer w0.2: U300A.18@65.068,98.413 65.971,98.413 66.213,98.171 v1(66.294,98.171) ; NT3A.1@66.211,87.821 66.711,88.321 66.711,90.211 66.896,90.396 66.896,92.285 66.229,92.952 v1(66.229,93.853)
  Bottom Layer w0.2: v1(66.229,93.853) 66.262,93.885 66.262,98.139 v1(66.294,98.171)
"BIAS B": NT3B.1 U300B.18 | length 11.3
  Top Layer w0.2: NT3B.1@64.479,53.992 64.479,54.827 65.786,56.134 v1(65.786,58.674) ; U300B.18@64.926,63.947 64.928,63.945 65.641,63.945 65.705,63.881 v1(65.786,63.881)
  Bottom Layer w0.2: v1(65.786,58.674) v1(65.786,63.881)
"C LED3V3": D701.1 R704.2 | length 42.5
  Top Layer w0.3: 115.005,43.11 v1(117.221,40.894) ; v1(117.221,38.608) 130.937,38.608
  Top Layer w0.5: 115.005,43.11 115.005,47.794 D701.1@116.205,48.994 ; 130.937,38.608 132.842,40.513 132.842,52.92 132.549,53.213 131.344,53.213 R704.2@131.191,53.366
  Bottom Layer w0.3: v1(117.221,38.608) v1(117.221,40.894)
"C LED5V": D702.1 R706.2 | length 9.8
  Top Layer w0.5: D702.1@140.843,114.991 141.343,115.491 142.542,115.491 143.129,116.078 143.129,120.946 141.595,122.48 R706.2@141.595,122.555